# Altium PCB SNI_PROTO_pcb.PcbDoc
Units mm, origin at the board's own origin, x right, y up, seen from the top; angles counter-clockwise.
Board outline 114 x 81 mm, 2 copper layers (Top Layer, Bottom Layer); 92 components, 85 nets, 679 pads, 0 vias.
Unrouted connection lines stored in the file: 277.
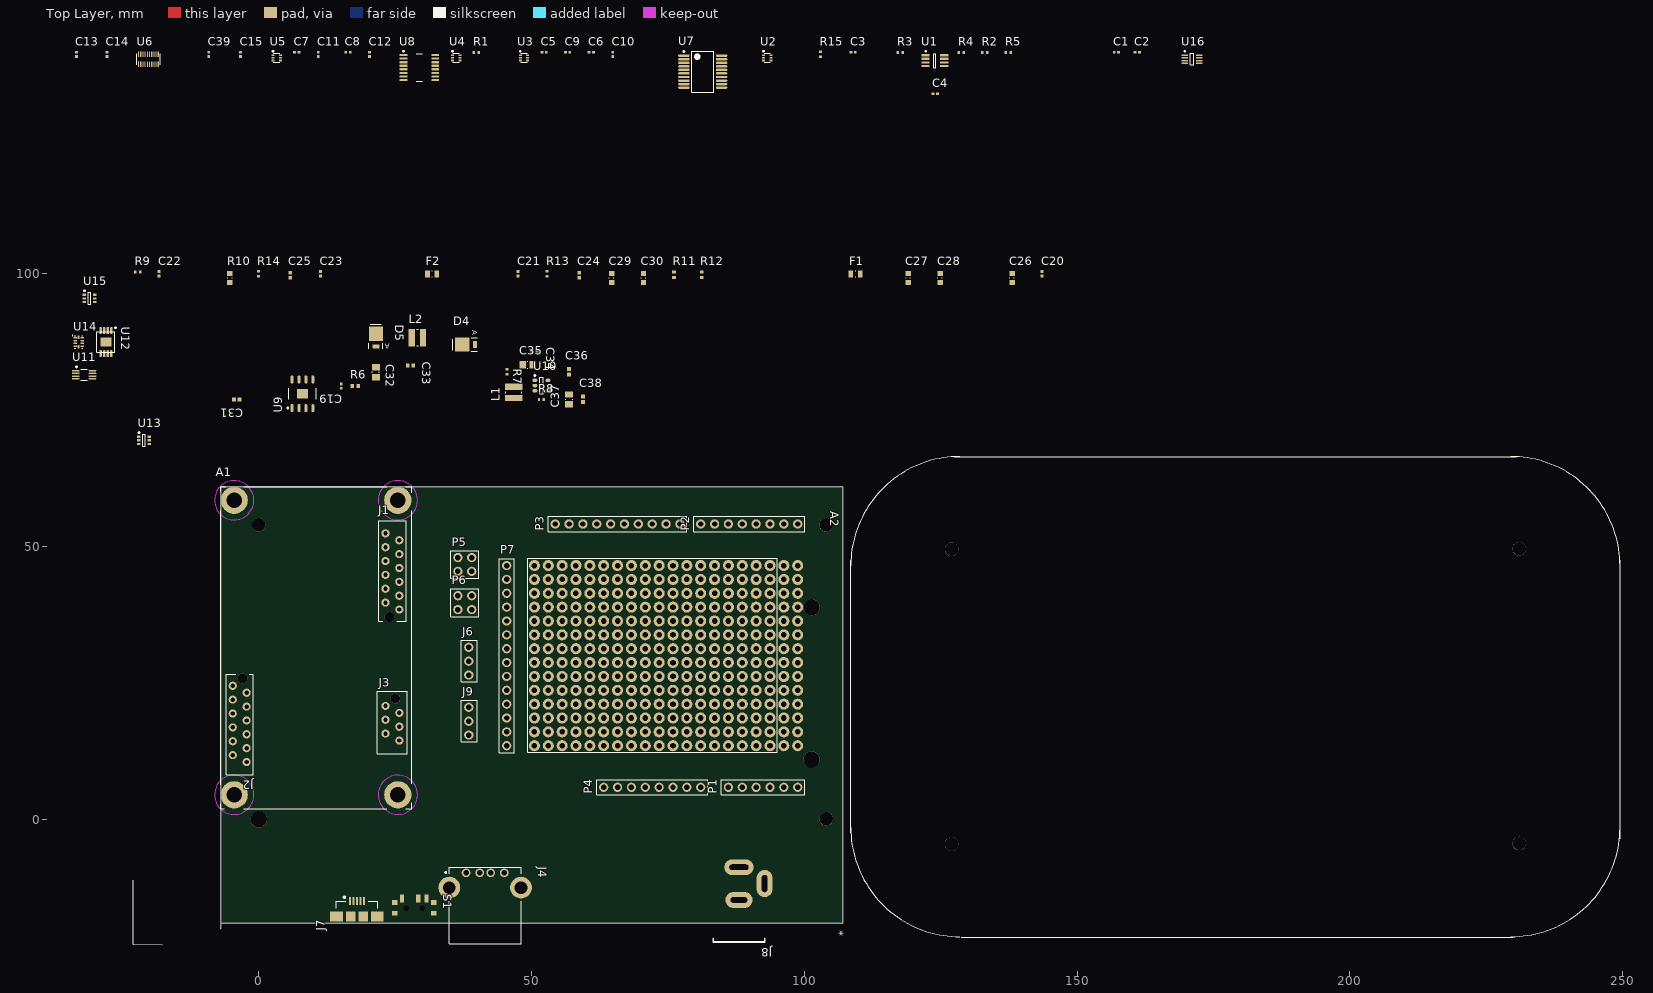
[diagram p0: Top Layer view]
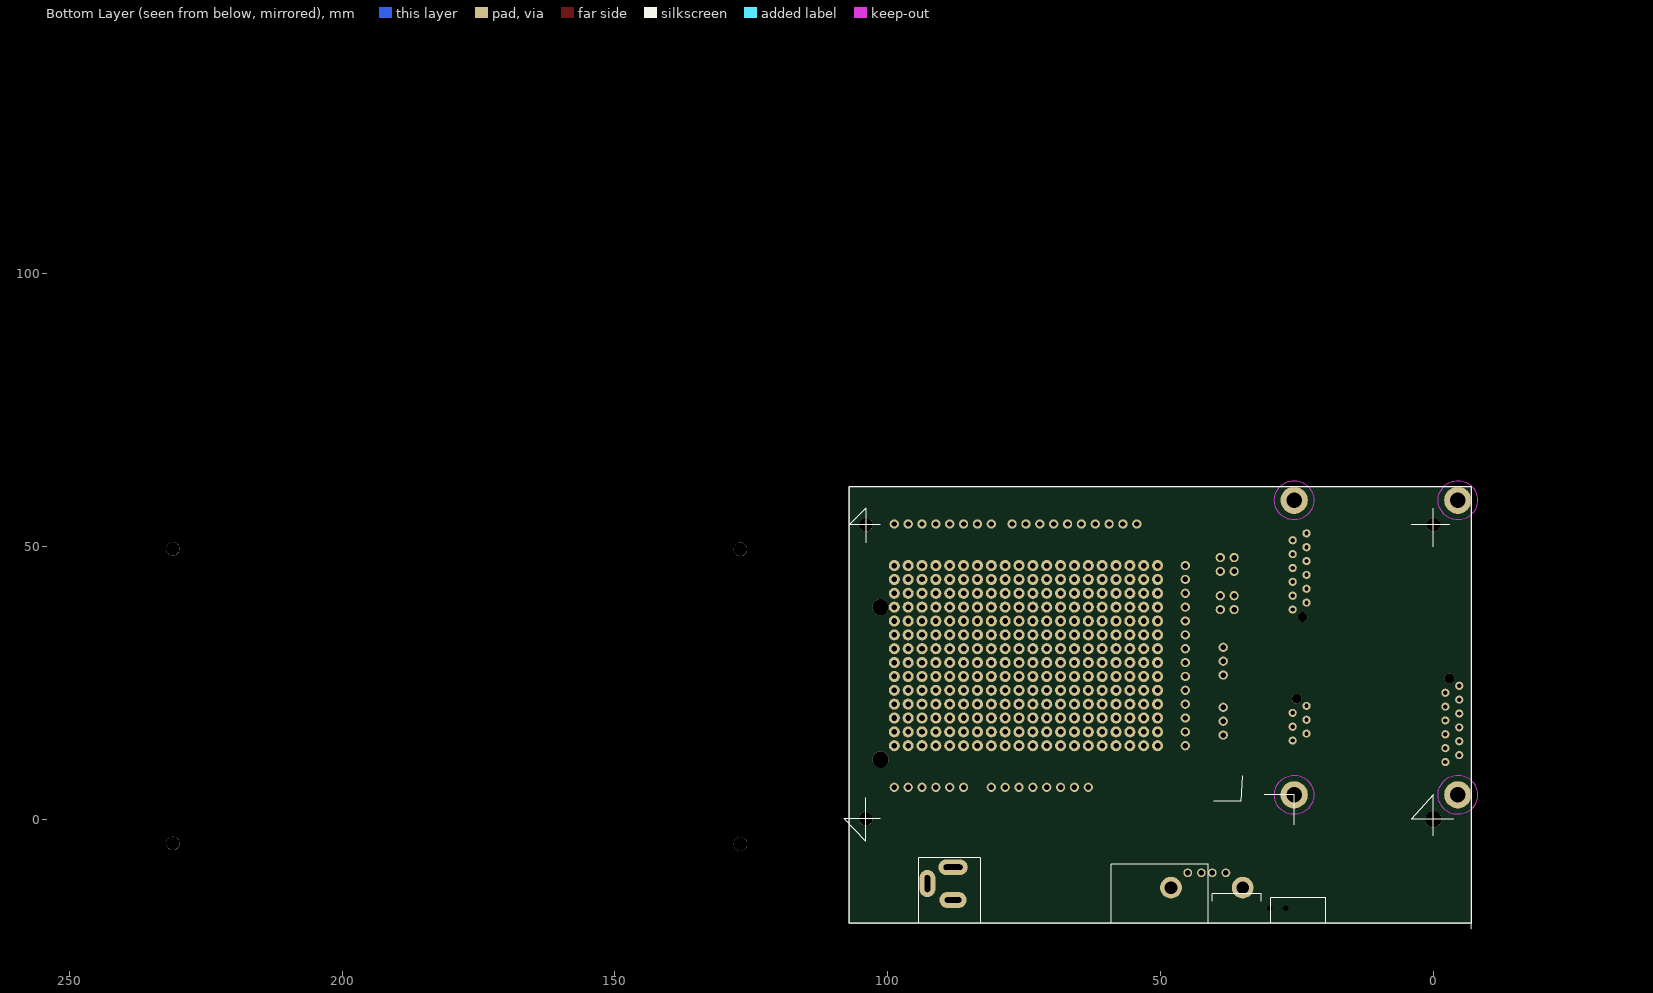
[diagram p1: Bottom Layer view, seen from below]

## Layer stack, top to bottom
Top Solder: solder mask 0.0102, Solder Resist, Dk 3.5
Top Layer: signal copper 0.0356
Dielectric 1: dielectric 0.32, FR-4, Dk 4.8
Bottom Layer: signal copper 0.0356
Bottom Solder: solder mask 0.0102, Solder Resist, Dk 3.5

## Board outline
-7,61 -7,-20 -7,-19 106.999,-19 106.999,61

## Design rules (kind name [scope] priority, off if disabled: settings)
Clearance [All] p1: gap=0.152
ComponentClearance [InComponent('A1')] p1: gap=0 collisioncheckmode=3 verticalgap=0 showdistances=FALSE
DiffPairsRouting [All] p1: maxlimit=0.254 minlimit=0.254 mostfreqgap=0.254 toplayer_minwidth=0.381 toplayer_maxwidth=0.381 toplayer_prefwidth=0.381 bottomlayer_minwidth=0.381 bottomlayer_maxwidth=0.381 bottomlayer_prefwidth=0.381 maxuncoupledlength=12.7
HoleSize [All] p1: absolutevalues=TRUE maxlimit=2.54 minlimit=0.4 maxpercent=80.000 minpercent=20.000
MinimumSolderMaskSliver [All] p1: minsoldermaskwidth=0.051
PolygonConnect [All] p1: connectstyle=Relief reliefconductorwidth=0.254 reliefentries=4 polygonreliefangle="90 Angle" airgapwidth=0.254
RoutingVias [All] p1: holewidth=0.711 width=1.27 viastyle="Through Hole" minholewidth=0.711 minwidth=1.27 maxholewidth=0.711 maxwidth=1.27
SolderMaskExpansion [All] p1: expansion=0.102
Width [All] p1: maxlimit=1.27 minlimit=0.203 preferedwidth=0.203
25 further rules are at their usual default settings.

## Classes and differential pairs
component class USB: C20 C21 C22 C23 C24 C25 C26 C27 C28 C29 C30 F1 F2 J3 J4 J7 R9 R10 R11 R12 R13 R14 S1 U11 U12 U13 U14 U15
component class SNI_PROTO_sch: C1 C2 C3 C4 C5 C6 C7 C8 C9 C10 C11 C12 C13 C14 C15 C39 J1 J2 J6 P1 P2 P3 P4 P5 P6 P7 R1 R2 R3 R4 R5 R15 U1 U2 U3 U4 U5 U6 U7 U8 U16
component class power: A1 A2 C19 C31 C32 C33 C34 C35 C36 C37 C38 D4 D5 J8 J9 L1 L2 R6 R7 R8 U9 U10
differential pair D_USB1: +USB1_P -USB1_N
differential pair D_USB2: +USB2_P -USB2_N
differential pair D_USB: +USB_P -USB_N
differential pair USB: +USB_P -USB_N
differential pair USB2: +USB2_P -USB2_N
differential pair USB1: +USB1_P -USB1_N

## Components (designator, comment, footprint, x,y, rotation, side; value= is the part's Value field where it differs from the comment)
* "Component_1" enclosure_takachi 178.999,22.5 r180 top
A1 "SNP-STM1" SNP-STM1 10.5,31.5 r90 top
A2 "AUno" PCBComponent_1 74.654,30.015 r0 top
C1 "CAP 100nF 10V 0402(1005)" CAPC0402(1005)60_L 157.201,140.604 r0 top
C2 "CAP 100nF 10V 0402(1005)" CAPC0402(1005)60_L 161.011,140.604 r0 top
C3 "CAP 100nF 10V 0402(1005)" CAPC0402(1005)60_L 108.941,140.604 r0 top
C4 "CAP 100nF 10V 0402(1005)" CAPC0402(1005)60_L 124.004,133.015 r0 top
C5 "CAP 100nF 10V 0402(1005)" CAPC0402(1005)60_L 52.299,140.604 r0 top
C6 "CAP 100nF 10V 0402(1005)" CAPC0402(1005)60_L 60.935,140.604 r0 top
C7 "CAP 100nF 10V 0402(1005)" CAPC0402(1005)60_L 6.96,140.604 r0 top
C8 "CAP 100nF 10V 0402(1005)" CAPC0402(1005)60_L 16.358,140.604 r0 top
C9 "CAP 100nF 10V 0402(1005)" CAPC0402(1005)60_L 56.617,140.604 r0 top
C10 "CAP 100nF 10V 0402(1005)" CAPC0402(1005)60_L 64.872,140.223 r90 top
C11 "CAP 100nF 10V 0402(1005)" CAPC0402(1005)60_L 10.897,140.223 r90 top
C12 "CAP 100nF 10V 0402(1005)" CAPC0402(1005)60_L 20.295,140.223 r90 top
C13 "CAP 100nF 10V 0402(1005)" CAPC0402(1005)60_L -33.426,140.223 r90 top
C14 "CAP 100nF 10V 0402(1005)" CAPC0402(1005)60_L -27.838,140.223 r90 top
C15 "CAP 100nF 10V 0402(1005)" CAPC0402(1005)60_L -3.327,140.223 r90 top
C19 "CAP 100nF 10V 0402(1005)" CAPC0402(1005)60_L 15.114,79.415 r270 top
C20 "CAP 100nF 10V 0402(1005)" CAPC0402(1005)60_L 143.548,99.994 r90 top
C21 "CAP 100nF 10V 0402(1005)" CAPC0402(1005)60_L 47.536,99.994 r90 top
C22 "CAP 100nF 10V 0402(1005)" CAPC0402(1005)60_L -18.25,99.994 r90 top
C23 "CAP 100nF 10V 0402(1005)" CAPC0402(1005)60_L 11.341,99.994 r90 top
C24 "CAP 10nF 50V 0402(1005)" CAPC0402(1005)60_N 58.712,99.74 r90 top
C25 "CAP 10nF 50V 0402(1005)" CAPC0402(1005)60_N 5.753,99.74 r90 top
C26 "CAP 2.2uF 16V 0603(1608)" CAPC0603(1608)100_N 138.087,99.232 r90 top
C27 "CAP 2.2uF 16V 0603(1608)" CAPC0603(1608)100_N 119.037,99.232 r90 top
C28 "CAP 2.2uF 16V 0603(1608)" CAPC0603(1608)100_N 124.879,99.232 r90 top
C29 "CAP 2.2uF 16V 0603(1608)" CAPC0603(1608)100_N 64.681,99.232 r90 top
C30 "CAP 2.2uF 16V 0603(1608)" CAPC0603(1608)100_N 70.523,99.232 r90 top
C31 "CAP 100nF 50V 0402(1005)" CAPC0402(1005)60_M -4.001,77 r180 top
C32 "10uF" CAPC0805(2012)145_N 21.464,81.955 r270 top
C33 "CAP 100nF 50V 0402(1005)" CAPC0402(1005)60_M 27.814,83.225 r0 top
C34 "CAP 100nF 50V 0402(1005)" CAPC0402(1005)60_M 50.544,85.875 r0 top
C35 "10uF" CAPC0805(2012)145_N 49.274,83.335 r0 top
C36 "CAP 18pF 50V 0402(1005)" CAPC0402(1005)60_M 56.894,82.065 r90 top
C37 "10uF" CAPC0805(2012)145_N 56.894,76.985 r90 top
C38 "CAP 100nF 50V 0402(1005)" CAPC0402(1005)60_M 59.434,76.985 r90 top
C39 "CAP 1uF 10V 0402(1005)" CAPC0402(1005)60_L -9.169,140.223 r90 top
D4 "MBRM110ET1G" "CASE 457–04" 37.974,87.035 r0 top
D5 "SSB43L" "CASE 457–04" 21.464,88.305 r270 top
F1 "MF-PSMF050X-2" RESC0805(2012)_L 109.385,99.994 r0 top
F2 "MF-PSMF050X-2" RESC0805(2012)_L 31.788,99.994 r0 top
J1 "TMM-3-0-12-1" TMM-3-0-12-1 24.495,45.46 r90 top
J2 "TMM-3-0-12-1" TMM-3-0-12-1 -3.496,17.494 r270 top
J3 "TMM-3-0-06-1" Micro-Match_6pin 24.5,17.5 r90 top
J4 "MC32593" MC32593 41.5,-12.5 r0 top
J6 "PRPC003SAAN-RC" PRPC003SAAN-RC 38.499,29 r90 top
J7 "10104111-0001LF" 10104111-0001LF 18,-17.81 r90 top
J8 "PJ-002BH" PJ-002BH 88.014,-8.763 r270 top
J9 "PRPC003SAAN-RC" PRPC003SAAN-RC 38.499,18 r90 top
L1 "EPL3015-222" EPL3015-222_L 46.734,78.255 r90 top
L2 "4.7uH" EPL3015-222_L 29.084,88.305 r0 top
P1 "ANALOG" H6A 98.784,5.885 r180 top
P2 "DIGITAL" H8A 98.784,54.145 r180 top
P3 "DIGITAL2" H10A 77.194,54.145 r180 top
P4 "POWER" H8A 81.004,5.885 r180 top
P5 "Header 2x2" H2x2 36.499,48 r0 top
P6 "Header 2x2" H2x2 36.499,41 r0 top
P7 "Header14" H14 45.444,13.505 r90 top
R1 "10K 1% 0402(1005)" RESC0402(1005)_L 39.853,140.604 r0 top
R2 "2K2 1% 0402(1005)" RESC0402(1005)_L 133.071,140.604 r0 top
R3 "2K2 1% 0402(1005)" RESC0402(1005)_L 117.577,140.604 r0 top
R4 "2K2 1% 0402(1005)" RESC0402(1005)_L 128.753,140.604 r0 top
R5 "2K2 1% 0402(1005)" RESC0402(1005)_L 137.389,140.604 r0 top
R6 "100K 1% 0402(1005)" RESC0402(1005)_M 17.654,79.415 r0 top
R7 "1M8 1% 0402(1005)" RESC0402(1005)_L 45.464,82.065 r270 top
R8 "402K 1% 0402(1005)" RESC0402(1005)_L 51.814,76.985 r0 top
R9 "10K 1% 0402(1005)" RESC0402(1005)_L -22.187,100.375 r0 top
R10 "5K6 1% 0603(1608)" RESC0603(1608)_N -5.296,99.232 r90 top
R11 "10K 1% 0402(1005)" RESC0402(1005)_N 76.111,99.867 r90 top
R12 "10K 1% 0402(1005)" RESC0402(1005)_N 81.191,99.867 r90 top
R13 "1M  1% 0402(1005)" RESC0402(1005)_L 52.87,99.994 r90 top
R14 "1M  1% 0402(1005)" RESC0402(1005)_L -0.089,99.994 r90 top
R15 "100K 1% 0402(1005)" RESC0402(1005)_L 102.972,140.223 r90 top
S1 "PCM12SMTR" "PCM12SMTR switch footprint" 28.5,-14.5 r0 top
U1 "TCA9406" LSSOP-8 123.927,139.08 r0 top
U2 "SN74LVC1T45" SOT6_DRL 93.193,139.588 r0 top
U3 "SN74LVC1T45" SOT6_DRL 48.616,139.588 r0 top
U4 "SN74LVC1T45" SOT6_DRL 36.17,139.588 r0 top
U5 "SN74LVC1T45" SOT6_DRL 3.277,139.588 r0 top
U6 "TXB0108" UFDFN-20 -20.218,139.334 r0 top
U7 "MCP23S08-E/SS" SSOP-SS20_N 81.382,137.048 r0 top
U8 "ADC128S022" TSSOP16 29.439,137.81 r0 top
U9 "ADP2302" SOP127P600-8N#1 8.004,78.015 r90 top
U10 "NCP1529ASNT1G" SOT-23-5_L 51.814,79.525 r0 top
U11 "74LVC2G53" VSSOP8_SOT765-1 -32.001,81.5 r0 top
U12 "AP2152A" SOP127P600-8N#2 -28.001,87.5 r270 top
U13 "PRTR5V0U4Y,125" SOT363_L -21.006,69.485 r0 top
U14 "TS3USB221" RSE10 -33.001,87.5 r0 top
U15 "PRTR5V0U4Y,125" SOT363_L -31.001,95.5 r0 top
U16 "TXB0102" VSSOP8 171.044,139.334 r0 top

## Footprints (in the part's own frame and the unit in brackets; to place one, negate y for a bottom-side part, rotate by r counter-clockwise, add the part's x,y. Pads: shape width x height; smd on the part's side, far side on the other; paste and mask are expansions set on the pad)
10104111-0001LF [mm]
  rect 1.4x0.4 smd: 1(2.85,1.3) 2(2.85,0.65) 3(2.85,0) 4(2.85,-0.65) 5(2.85,-1.3)
  rect 1.778x2.3 smd: 6(0,-3.75) 7(0,3.75)
  rect 1.778x1.8 smd: 8(0,1.15) 9(0,-1.15)
  silkscreen extent 1.52,-3.81 3.68,3.81, body extent -2.78,-4.4 2.85,4.4, height 2.76
CAPC0402(1005)60_L [mm] "Chip Capacitor, Body 1.0x0.5mm, Height 0.6mm, IPC High Density"
  rect 0.52x0.52 smd: 1(-0.4,0) 2(0.4,0)
  body extent -0.55,-0.3 0.55,0.3, height 0.6
CAPC0402(1005)60_M [mm] "Chip Capacitor, Body 1.0x0.5mm, Height 0.6mm, IPC Low Density"
  rect 0.72x0.72 smd: 1(-0.5,0) 2(0.5,0)
  body extent -0.55,-0.3 0.55,0.3, height 0.6
CAPC0402(1005)60_N [mm] "Chip Capacitor, Body 1.0x0.5mm, Height 0.6mm, IPC Medium Density"
  rect 0.62x0.62 smd: 1(-0.45,0) 2(0.45,0)
  body extent -0.55,-0.3 0.55,0.3, height 0.6
CAPC0603(1608)100_N [mm] "Chip Capacitor, Body 1.6x0.8mm, Height 1.0mm, IPC Medium Density"
  rect 0.9x1 smd: 1(-0.8,0) 2(0.8,0)
  silkscreen extent -0.05,-0.4 0.05,0.4, body extent -0.87,-0.48 0.88,0.47, height 1
CAPC0805(2012)145_N [mm] "Chip Capacitor, Body 2.0x1.2mm, Height 1.45mm, IPC Medium Density"
  rect 1.15x1.45 smd: 1(-0.9,0) 2(0.9,0)
  silkscreen extent -0.05,-0.62 0.05,0.63, body extent -1.1,-0.72 1.1,0.73, height 1.45
"CASE 457–04" [mm] "Powermite, Plastic Package, 2.05 x 3.90 mm"
  rect 2.67x2.54 smd: 1(-0.7,0)
  rect 0.762x1.27 smd: 2(1.651,0)
  silkscreen extent -2.41,-1.27 2.03,1.27, body extent -1.99,-1.02 1.91,1.03, height 1.15
enclosure_takachi [mm]
  round 2.5 hole 2.5 unplated paste+0 mask+0: 0(-52,26.9) 0(-52,-27.1) 0(52,27) 0(52,-27)
  silkscreen extent -70.5,-44 70.5,44.1
EPL3015-222_L [mm] "Inductor, Shielded, SMT, EPL3015 Series, 3 x 3 x 1.55 mm"
  rect 1.12x3.2 smd: 1(-1.04,0) 2(1.04,0)
  silkscreen extent -0.13,-1.5 0.13,1.5, body extent -1.6,-1.6 1.6,1.6, height 1.55
H2x2 [mm]
  round 1.7 hole 1: 1(0,0) 2(2.54,0) 3(0,-2.54) 4(2.54,-2.54)
  silkscreen extent -1.27,-3.81 3.81,1.27, body extent -1.27,-3.81 3.81,1.27, height 9.27
H6A [mm]
  round 1.7 hole 1: 1(0,0) 2(2.54,0) 3(5.08,0) 4(7.62,0) 5(10.16,0) 6(12.7,0)
  silkscreen extent -1.27,-1.4 13.97,1.4, body extent -1.27,-1.27 13.97,1.27, height 8.5
H8A [mm]
  round 1.7 hole 1: 1(0,0) 2(2.54,0) 3(5.08,0) 4(7.62,0) 5(10.16,0) 6(12.7,0) 7(15.24,0) 8(17.78,0)
  silkscreen extent -1.27,-1.4 19.05,1.4, body extent -1.27,-1.27 19.05,1.27, height 8.5
H10A [mm]
  round 1.7 hole 1: 1(0,0) 2(2.54,0) 3(5.08,0) 4(7.62,0) 5(10.16,0) 6(12.7,0) 7(15.24,0) 8(17.78,0) 9(20.32,0) 10(22.86,0)
  silkscreen extent -1.27,-1.42 24.13,1.4, body extent -1.27,-1.27 24.13,1.27, height 8.5
H14 [mm]
  round 1.7 hole 1: 1(0,0) 2(2.54,0) 3(5.08,0) 4(7.62,0) 5(10.16,0) 6(12.7,0) 7(15.24,0) 8(17.78,0) 9(20.32,0) 10(22.86,0) 11(25.4,0) 12(27.94,0) 13(30.48,0) 14(33.02,0)
  silkscreen extent -1.27,-1.4 34.29,1.4, body extent -1.4,-1.25 34.41,1.25, height 8.5
LSSOP-8 [mm]
  rect 1.5x0.4 smd mask+0.07: 1(-1.7,0.975) 2(-1.7,0.325) 3(-1.7,-0.325) 4(-1.7,-0.975) 5(1.7,-0.975) 6(1.7,-0.325) 7(1.7,0.325) 8(1.7,0.975)
  silkscreen extent -1.8,-1.3 0.18,1.8, body extent -2.1,-1.52 2.1,1.53, height 1.3
MC32593 [mm] "USB, Type A, Right Angle, THT"
  round 1.6 hole 1: 1(-3.5,2.7) 2(-1,2.7) 3(1,2.7) 4(3.5,2.7)
  round 4 hole 2.3: 5(6.57,0) 6(-6.57,0)
  silkscreen extent -7.37,-10.26 6.6,3.74, body extent -8.12,-10.26 8.12,3.74, height 7.67
Micro-Match_6pin [mm] "Micro-Match male 6 pin  Through Hole Vertical, Pitch 1.27mm"
  round 1.8 hole 1.8 paste+0 mask+0: 0(4.648,-0.533)
  round 1.5 hole 0.8: 1(3.302,1.27) 2(2.032,-1.27) 3(0.762,1.27) 4(-0.508,-1.27) 5(-1.778,1.27) 6(-3.048,-1.27)
  silkscreen extent -5.5,-2.75 6,2.75, body extent -5.21,-2.5 5.59,2.5, height 6.8
PCBComponent_1 [mil]
  round 80 hole 40: 0(-950,650) 1(-850,650) 2(-750,650) 3(-650,650) 4(-550,650) 5(-450,650) 6(-350,650) 7(-250,650) 8(-150,650) 9(-50,650) 10(50,650) 11(150,650) 12(250,650) 13(350,650) 14(450,650) 15(550,650) 16(650,650) 17(750,650) 18(850,650) 19(950,650) 20(-950,550) 21(-850,550) 22(-750,550) 23(-650,550) 24(-550,550) 25(-450,550) 26(-350,550) 27(-250,550) 28(-150,550) 29(-50,550) 30(50,550) 31(150,550) 32(250,550) 33(350,550) 34(450,550) 35(550,550) 36(650,550) 37(750,550) 38(850,550) 39(950,550) 40(-950,450) 41(-850,450) 42(-750,450) 43(-650,450) 44(-550,450) 45(-450,450) 46(-350,450) 47(-250,450) 48(-150,450) 49(-50,450) 50(50,450) 51(150,450) 52(250,450) 53(350,450) 54(450,450) 55(550,450) 56(650,450) 57(750,450) 58(850,450) 59(950,450) 60(-950,350) 61(-850,350) 62(-750,350) 63(-650,350) 64(-550,350) 65(-450,350) 66(-350,350) 67(-250,350) 68(-150,350) 69(-50,350) 70(50,350) 71(150,350) 72(250,350) 73(350,350) 74(450,350) 75(550,350) 76(650,350) 77(750,350) 78(850,350) 79(950,350) 80(-950,250) 81(-850,250) 82(-750,250) 83(-650,250) 84(-550,250) 85(-450,250) 86(-350,250) 87(-250,250) 88(-150,250) 89(-50,250) 90(50,250) 91(150,250) 92(250,250) 93(350,250) 94(450,250) 95(550,250) 96(650,250) 97(750,250) 98(850,250) 99(950,250) 100(-950,150) 101(-850,150) 102(-750,150) 103(-650,150) 104(-550,150) 105(-450,150) 106(-350,150) 107(-250,150) 108(-150,150) 109(-50,150) 110(50,150) 111(150,150) 112(250,150) 113(350,150) 114(450,150) 115(550,150) 116(650,150) 117(750,150) 118(850,150) 119(950,150) 120(-950,50) 121(-850,50) 122(-750,50) 123(-650,50) 124(-550,50) 125(-450,50) 126(-350,50) 127(-250,50) 128(-150,50) 129(-50,50) 130(50,50) 131(150,50) 132(250,50) 133(350,50) 134(450,50) 135(550,50) 136(650,50) 137(750,50) 138(850,50) 139(950,50) 140(-950,-50) 141(-850,-50) 142(-750,-50) 143(-650,-50) 144(-550,-50) 145(-450,-50) 146(-350,-50) 147(-250,-50) 148(-150,-50) 149(-50,-50) 150(50,-50) 151(150,-50) 152(250,-50) 153(350,-50) 154(450,-50) 155(550,-50) 156(650,-50) 157(750,-50) 158(850,-50) 159(950,-50) 160(-950,-150) 161(-850,-150) 162(-750,-150) 163(-650,-150) 164(-550,-150) 165(-450,-150) 166(-350,-150) 167(-250,-150) 168(-150,-150) 169(-50,-150) 170(50,-150) 171(150,-150) 172(250,-150) 173(350,-150) 174(450,-150) 175(550,-150) 176(650,-150) 177(750,-150) 178(850,-150) 179(950,-150) 180(-950,-250) 181(-850,-250) 182(-750,-250) 183(-650,-250) 184(-550,-250) 185(-450,-250) 186(-350,-250) 187(-250,-250) 188(-150,-250) 189(-50,-250) 190(50,-250) 191(150,-250) 192(250,-250) 193(350,-250) 194(450,-250) 195(550,-250) 196(650,-250) 197(750,-250) 198(850,-250) 199(950,-250) 200(-950,-350) 201(-850,-350) 202(-750,-350) 203(-650,-350) 204(-550,-350) 205(-450,-350) 206(-350,-350) 207(-250,-350) 208(-150,-350) 209(-50,-350) 210(50,-350) 211(150,-350) 212(250,-350) 213(350,-350) 214(450,-350) 215(550,-350) 216(650,-350) 217(750,-350) 218(850,-350) 219(950,-350) 220(-950,-450) 221(-850,-450) 222(-750,-450) 223(-650,-450) 224(-550,-450) 225(-450,-450) 226(-350,-450) 227(-250,-450) 228(-150,-450) 229(-50,-450) 230(50,-450) 231(150,-450) 232(250,-450) 233(350,-450) 234(450,-450) 235(550,-450) 236(650,-450) 237(750,-450) 238(850,-450) 239(950,-450) 240(-950,-550) 241(-850,-550) 242(-750,-550) 243(-650,-550) 244(-550,-550) 245(-450,-550) 246(-350,-550) 247(-250,-550) 248(-150,-550) 249(-50,-550) 250(50,-550) 251(150,-550) 252(250,-550) 253(350,-550) 254(450,-550) 255(550,-550) 256(650,-550) 257(750,-550) 258(850,-550) 259(950,-550) 260(-950,-650) 261(-850,-650) 262(-750,-650) 263(-650,-650) 264(-550,-650) 265(-450,-650) 266(-350,-650) 267(-250,-650) 268(-150,-650) 269(-50,-650) 270(50,-650) 271(150,-650) 272(250,-650) 273(350,-650) 274(450,-650) 275(550,-650) 276(650,-650) 277(750,-650) 278(850,-650) 279(950,-650)
  silkscreen extent -999,-697 801,703
"PCM12SMTR switch footprint" [mm] "PCM12SMTR switch footprint"
  rect 1x0.9 smd: 0(-3.6,-2.7) 0(-3.6,-0.7) 0(3.6,-2.7) 0(3.6,-0.7)
  round 0.5 on Top Overlay: 0(-3.24,0.503)
  rect 0.5x0.5 hole 1: 0(-1.5,-1.75) 0(1.5,-1.75)
  rect 0.8x1.5 smd: 1(-2.25,0) 2(0.75,0) 3(2.25,0)
  body extent -3.37,-4.5 3.38,-0.5, height 1.4
PJ-002BH [mm]
  oval 2.9x5.4 hole 1 slot 3.5 at 90 deg: 1(0,0)
  oval 2.9x5 hole 1 slot 3 at 90 deg: 2(6,0)
  oval 5x2.9 hole 1 slot 3.1 at 0 deg: 3(3,4.7)
  silkscreen extent 13,-4.7 13.7,4.7, body extent -0.7,-4.6 13.7,4.8, height 11
PRPC003SAAN-RC [mm] "Pin header 3 pin 2.54 mm pitch"
  round 1.7 hole 1: 1(-2.54,0) 2(0,0) 3(2.54,0)
  silkscreen extent -3.81,-1.52 3.81,1.4, body extent -3.81,-1.52 3.81,1.4, height 8.51
RESC0402(1005)_L [mm] "Chip Resistor, Body 1.0x0.5mm, IPC High Density"
  rect 0.45x0.55 smd: 1(-0.45,0) 2(0.45,0)
  body extent -0.52,-0.27 0.53,0.28, height 0.4
RESC0402(1005)_M [mm] "Chip Resistor, Body 1.0x0.5mm, IPC Low Density"
  rect 0.65x0.75 smd: 1(-0.55,0) 2(0.55,0)
  body extent -0.52,-0.28 0.53,0.28, height 0.4
RESC0402(1005)_N [mm] "Chip Resistor, Body 1.0x0.5mm, IPC Medium Density"
  rect 0.55x0.65 smd: 1(-0.5,0) 2(0.5,0)
  body extent -0.52,-0.27 0.53,0.28, height 0.4
RESC0603(1608)_N [mm] "Chip Resistor, Body 1.6x0.8mm, IPC Medium Density"
  rect 0.9x1 smd: 1(-0.8,0) 2(0.8,0)
  silkscreen extent -0.05,-0.4 0.05,0.4, body extent -0.85,-0.47 0.85,0.47, height 0.6
RESC0805(2012)_L [mm] "Chip Resistor, Body 2.0x1.3mm, IPC High Density"
  rect 0.85x1.3 smd: 1(-0.85,0) 2(0.85,0)
  silkscreen extent -0.05,-0.55 0.05,0.55, body extent -1.1,-0.67 1.1,0.68, height 0.7
RSE10 [mm] "QFN, 10-Leads, Body 1.5x2mm, Pitch 0.5mm, TI Recommended"
  rect 0.58x0.3 smd paste-0.025 mask+0.05: 1(-0.64,0.75) 2(-0.64,0.25) 3(-0.64,-0.25) 4(-0.64,-0.75) 6(0.64,-0.75) 7(0.64,-0.25) 8(0.64,0.25) 9(0.64,0.75)
  rect 0.35x0.63 smd paste-0.025 mask+0.05: 5(0,-0.86) 10(0,0.86)
  silkscreen extent -1.22,-1.17 0.77,1.22, body extent -0.77,-1.02 0.78,1.03, height 0.6
SNP-STM1 [mm]
  round 5 hole 2.8: 0(-27,-15) 0(-27,15) 0(27,-15) 0(27,15)
  Top Layer keep-out circle w0.102: c-27,-15 r3.6
  Top Layer keep-out circle w0.102: c-27,15 r3.6
  Top Layer keep-out circle w0.102: c27,15 r3.6
  Top Layer keep-out circle w0.102: c27,-15 r3.6
  Bottom Layer keep-out circle w0.102: c-27,-15 r3.6
  Bottom Layer keep-out circle w0.102: c-27,15 r3.6
  Bottom Layer keep-out circle w0.102: c27,15 r3.6
  Bottom Layer keep-out circle w0.102: c27,-15 r3.6
  silkscreen extent -29.5,-17.5 29.5,17.5
SOP127P600-8N#1 [mm]
  oval 1.5x0.55 smd: 1(-2.625,1.905) 2(-2.625,0.635) 3(-2.625,-0.635) 4(-2.625,-1.905) 5(2.625,-1.905) 6(2.625,-0.635) 7(2.625,0.635) 8(2.625,1.905)
  rect 1.7x2 smd: 9(0,0)
  silkscreen extent -2.75,-2.5 1.02,2.8, body extent -3,-2.45 3,2.45, height 1.7
SOP127P600-8N#2 [mm]
  oval 1.35x0.45 smd: 1(-2.117,0.975) 2(-2.117,0.325) 3(-2.117,-0.325) 4(-2.117,-0.975) 5(2.117,-0.975) 6(2.117,-0.325) 7(2.117,0.325) 8(2.117,0.975)
  rect 1.7x2 smd: 9(0,0)
  silkscreen extent -2.75,-1.65 1.9,1.88, body extent -2.45,-1.5 2.45,1.5, height 1.15
SOT6_DRL [mm]
  rect 0.55x0.3 smd mask+0.05: 1(-0.675,0.5) 2(-0.675,0) 3(-0.675,-0.5) 4(0.675,-0.5) 5(0.675,0) 6(0.675,0.5)
  silkscreen extent -0.8,-0.85 0.58,1.32, body extent -0.8,-0.8 0.8,0.8, height 0.6
SOT363_L [mm] "SOT363, 6-Leads, Body 2x1.3mm, Pitch 0.65mm, Lead Span 2.1mm, IPC High Density"
  rect 0.65x0.4 smd: 1(-0.95,0.65) 2(-0.95,0) 3(-0.95,-0.65) 4(0.95,-0.65) 5(0.95,0) 6(0.95,0.65)
  silkscreen extent -1.07,-1.1 0.25,1.52, body extent -0.7,-1.1 0.7,1.1, height 1.1
SOT-23-5_L [mm] "SOT23, 5-Leads, Body 2.9x1.6mm, Pitch 0.95mm, Lead Span 2.7mm, IPC High Density"
  oval 0.9x0.65 smd: 1(-1.2,0.95) 2(-1.2,0) 3(-1.2,-0.95) 4(1.2,-0.95) 5(1.2,0.95)
  silkscreen extent -1.32,-1.55 0.35,1.95, body extent -0.9,-1.55 0.9,1.55, height 1.45
SSOP-SS20_N [mm] "SOP, 20-Leads, Body 7.2x5.2mm, Pitch 0.65mm, IPC Medium Density"
  oval 2.1x0.45 smd: 1(-3.45,2.925) 2(-3.45,2.275) 3(-3.45,1.625) 4(-3.45,0.975) 5(-3.45,0.325) 6(-3.45,-0.325) 7(-3.45,-0.975) 8(-3.45,-1.625) 9(-3.45,-2.275) 10(-3.45,-2.925) 11(3.45,-2.925) 12(3.45,-2.275) 13(3.45,-1.625) 14(3.45,-0.975) 15(3.45,-0.325) 16(3.45,0.325) 17(3.45,0.975) 18(3.45,1.625) 19(3.45,2.275) 20(3.45,2.925)
  silkscreen extent -3.57,-3.75 2,3.82, body extent -2.7,-3.75 2.7,3.75, height 2
TMM-3-0-12-1 [mm]
  round 1.5 hole 0.8: 1(-6.996,-1.27) 2(-5.726,1.27) 3(-4.456,-1.27) 4(-3.186,1.27) 5(-1.916,-1.27) 6(-0.646,1.27) 7(0.624,-1.27) 8(1.894,1.27) 9(3.164,-1.27) 10(4.434,1.27) 11(5.704,-1.27) 12(6.974,1.27)
  round 1.8 hole 1.8 unplated paste+0 mask+0: ""(-8.345,0.535)
  silkscreen extent -9.14,-2.5 9.27,2.5, body extent -9.21,-2.5 9.21,2.5, height 6.93
TSSOP16 [mm]
  rect 1.4x0.4 smd mask+0.05: 1(-2.9,2.275) 2(-2.9,1.625) 3(-2.9,0.975) 4(-2.9,0.325) 5(-2.9,-0.325) 6(-2.9,-0.975) 7(-2.9,-1.625) 8(-2.9,-2.275) 9(2.9,-2.275) 10(2.9,-1.625) 11(2.9,-0.975) 12(2.9,-0.325) 13(2.9,0.325) 14(2.9,0.975) 15(2.9,1.625) 16(2.9,2.275)
  silkscreen extent -3.02,-2.55 0.58,3.1, body extent -3.2,-2.5 3.2,2.5, height 1.1
UFDFN-20 [mm] "R-PUSON 20 PIN"
  rect 0.2x1.1 smd: 1(-1.8,-0.85)
  rect 0.2x1 smd: 2(-1.4,-0.9) 3(-1,-0.9) 4(-0.6,-0.9) 5(-0.2,-0.9) 6(0.2,-0.9) 7(0.6,-0.9) 8(1,-0.9) 9(1.4,-0.9) 10(1.8,-0.9) 11(1.8,0.9) 12(1.4,0.9) 13(1,0.9) 14(0.6,0.9) 15(0.2,0.9) 16(-0.2,0.9) 17(-0.6,0.9) 18(-1,0.9) 19(-1.4,0.9) 20(-1.8,0.9)
  silkscreen extent -2.15,-1.02 2.15,1.02, body extent -2,-1 2,1, height 0.55
VSSOP8 [mm] "TSSOP, 8-Leads, Body 2,00x2,30mm, Pitch 0,50mm, IPC Medium Density"
  rect 1.25x0.3 smd mask+0.05: 1(-1.325,0.75) 2(-1.325,0.25) 3(-1.325,-0.25) 4(-1.325,-0.75) 5(1.325,-0.75) 6(1.325,-0.25) 7(1.325,0.25) 8(1.325,0.75)
  silkscreen extent -1.45,-1.05 0.3,1.57, body extent -1.6,-1.05 1.6,1.05, height 0.9
VSSOP8_SOT765-1 [mm]
  oval 1.4x0.3 smd mask+0.05: 1(-1.527,0.75) 2(-1.527,0.25) 3(-1.527,-0.25) 4(-1.527,-0.75) 5(1.527,-0.75) 6(1.527,-0.25) 7(1.527,0.25) 8(1.527,0.75)
  silkscreen extent -1.52,-1.05 0.6,1.57, body extent -1.62,-1.05 1.62,1.05, height 1

## Part data
A1: "SNP-STM1 Vesna Processor Module, Mechanical PCB Components without Connectors"
C1 C2 C3 C4 C5 C6 C7 C8 C9 C10 C11 C12 C13 C14 C15 C19 C20 C21 C22 C23: library part CMP-1034-02064-1, "CAP 100nF 10V ±5% 0402 (1005 Metric) Thickness 0.6mm SMD"
C24 C25: library part CMP-1034-01886-1, "CAP 10nF 50V ±10% 0402 (1005 Metric) Thickness 0.6mm SMD"
C26 C27 C28 C29 C30: library part CMP-1035-02765-1, "CAP 2.2uF 16V ±20% 0603 (1608 Metric) Thickness 1mm SMD"
C31 C33 C34 C38: library part CMP-1034-02077-1, "CAP 100nF 50V ±10% 0402 (1005 Metric) Thickness 0.6mm SMD"
C32 C35 C37: library part CMP-1036-04924-1, "CAP 10uF 10V ±20% 0805 (2012 Metric) Thickness 1.45mm SMD"
C36: library part CMP-1034-00862-1, "CAP 18pF 50V ±1% 0402 (1005 Metric) Thickness 0.6mm SMD"
C39: library part CMP-1034-02117-1, "CAP 1uF 10V ±20% 0402 (1005 Metric) Thickness 0.6mm SMD"
D4: "Diode, Schottky Power Rectifier, SMT, 1A, 10V"
D5: library part MBRM110ET1G, "Diode, Schottky Power Rectifier, SMT, 1A, 10V"
F1 F2: "PTC Resettable Fuse"
J1 J2: "PLUG, DIP, 1.27MM, 12WAY"
J3: "Micro-Match male 6 pin  Through Hole Vertical, Pitch 1.27mm"
J4: "USB, Type A, Right Angle, THT"
J6 J9: "Pin header male 3 pin  Through Hole Vertical, Pitch 2.54 mm"
J7: "Micro USB 2.0, Type AB, Bottom Mount, SMT, Right Angle"
L1: "Shielded Power Inductors, 2.2uH, Isat 1.6A @ 30%, Irms 2A @ 40°C, 3 x 3 x 1.5mm"
L2: library part EPL3015-472MLB, "Shielded Power Inductors, 4.7uH, Isat 1.6A @ 30%, Irms 1.4A @ 40°C, 3 x 3 x 1.5mm"
P1: library part header6A
P2 P4: library part Header8A
P3: library part Header10A
P5 P6: library part Header
R1 R9 R11 R12: library part "10K 0402(1005)_1", "10K 0.063W 1% 0402 (1005 Metric)  SMD"
R2 R3 R4 R5: library part "2K2 0402(1005)", "2K2 0.063W 1% 0402 (1005 Metric)  SMD"
R6 R15: library part "100K 0402(1005)", "100K 0.063W 1% 0402 (1005 Metric)  SMD"
R7: library part "1M8 0402(1005)", "1M8 0.063W 1% 0402 (1005 Metric)  SMD"
R8: library part "402K 0402(1005)", "402K 0.063W 1% 0402 (1005 Metric)  SMD"
R10: library part "5K6 0603(1608)", "5K6 0.1W 1% 0603 (1608 Metric)  SMD"
R13 R14: library part "1M 0402(1005)", "1M  0.063W 1% 0402 (1005 Metric)  SMD"
S1: "slide switch"
U6: "Translator, Bidirectional, 8 bits data rate 100Mbps"
U7: "8-Bit I/O Expander with Serial Interface, 20-Pin SSOP, Extended Temperature"
U10: library part NCP1529A, "1 A, 1.7 MHz Low Voltage Buck Converter"
U13 U15: "Integrated quad ultra-low capacitance ESD protection,  IEC 61000-4-2 level 4, ±8 kV contact discharge"
U14: library part CMP-0309-00017-1, "ESD Protected,High-Speed USB 2.0 (480-Mbps) 1:2 Multiplexer / Demultiplexer Switch, 1:2 Mux / Demux, 6 ohm RON, 2.5 to 3.3V, -40 to 85 degC, 10-Pin UQFN (RSE), Green (RoHS & no Sb/Br)"

## Free pads (board coordinates)
  round 2.5 hole 2.5 unplated mask+0: 1(-0.039,54) 1(0,0) 1(103.999,54) 1(104.024,0.1)
  round 3 hole 3 unplated mask+0: 1(101.324,38.905) 2(0,0) 2(101.324,10.965)

## Nets (pads, with @x,y where several pads share a name; then routed paths per layer and width w, separated by ;. In a path a pad name is that pad's centre, name@x,y a point inside that pad or via, vN(x,y) a via of type N, cw(c..) or ccw(c..) an arc to the next point about the centre after c; other vN are vias at no path point)
3V3: C1.1 C3.1 C5.1 C7.1 C9.2 C11.2 C13.2 C20.2 C23.2 C36.2 C37.2 C38.2 J6.1 J9.3 L1.2 P4.5 R1.2 R2.2 R3.2 R7.2 R15.1 U1.3 U2.1 U3.1 U4.1 U5.1 U6.5 U7.20 U8.13 U11.8 U14.10 U16.3
3V3_SNP: J1.12 J2.12 U6.6 U16.6
5V_SNP: C26.2 C33.2 C34.2 C35.2 D4.1 J1.1 J2.1 J6.3 J9.1 L2.2 P4.4 R10.2 U9.5 U10.1 U10.4 U12.2
A0: P1.6 U8.4
A1: P1.5 U8.5
A2: P1.4 U8.6
A3: P1.3 U8.7
A4: P5.1 U8.8
A4A: P1.2 P5.2
A4B: P3.8 P5.3
A5: P6.1 U8.9
A5A: P1.1 P6.2
A5B: P3.9 P6.3
AREF: P3.7
D2: P2.3 U6.11
D3: P2.4 U6.12
D4: P2.5 U6.13
D5_PWM: P2.6 U6.14
D6_PWM: P2.7 U6.17
D7: P2.8 U6.18
D8: U6.19
D9_PWM: P3.1 U6.20
DIR1: U2.5 U7.11
DIR2: U3.5 U7.12
DIR3: U4.5 U7.14
DIR4: U5.5 U7.13
GND: C1.2 C2.2 C3.2 C4.2 C5.2 C6.2 C7.2 C8.2 C9.1 C10.1 C11.1 C12.1 C13.1 C14.1 C15.1 C20.1 C21.1 C22.1 C23.1 C24.1 C25.1 C26.1 C27.1 C28.1 C29.1 C30.1 C31.2 C32.1 C33.1 C34.1 C35.1 C37.1 C38.1 C39.1 D5.2 J1.2 J2.2 J3.2 J4.4 J7.5 J8.2 P3.6 P4.2 P4.3 P7.1 P7.2 P7.3 P7.4 P7.5 P7.6 P7.7 P7.8 R8.1 R9.1 R11.1 R12.1 R13.1 R14.1 S1.3 U1.2 U2.2 U3.2 U4.2 U5.2 U6.15 U7.4 U7.5 U7.19 U8.3 U8.10 U8.11 U8.12 U9.7 U9.9 U10.2 U11.2 U11.3 U11.4 U12.1 U12.9 U13.2 U14.5 U14.6 U15.2 U16.2
GPA4: U6.9 U7.15
GPA5: U6.10 U7.16
I2C_SCL: P6.4 R4.1 U1.8
I2C_SDA: P5.4 R5.1 U1.1
MISO_A: P3.4 U2.4
MOSI_A: P3.3 U3.4
NC: P4.8
NetC15_2: C15.2 C39.2 J6.2 U8.2
NetC19_1: C19.1 U9.1
NetC19_2: C19.2 D5.1 L2.1 U9.8
NetC24_2: C24.2 J4.5 J4.6 R13.2
NetC25_2: C25.2 J7.6 J7.7 J7.8 J7.9 R14.2
NetC36_1: C36.1 R7.1 R8.2 U10.5
NetF1_2: F1.2 J4.1
NetF2_1: F2.1 J7.1
NetL1_1: L1.1 U10.3
NetR1_1: R1.1 U7.6
NetR6_2: R6.2 U9.4
NetR10_1: R10.1 S1.1
NetR11_2: R11.2 U11.7 U12.3
NetR12_2: R12.2 U11.6 U12.4
NetR15_2: R15.2 U1.6
PA0: J1.9 U4.3 U7.1 U8.16
PA1: J1.7 U2.3 U7.3 U8.15
PA2: J1.3 U16.5
PA3: J1.4 U16.4
PB10: J2.5 U6.3
PB11: J2.6 U6.4
PB12: J2.10 U7.7
PB13: J2.9 U8.1
PB14: J2.7 U6.7
PB15: J2.8 U6.8
PC10: J2.3 U6.1
PC11: J2.4 U6.2
PE0: J1.10 U5.3
PE2: J1.6 R2.1 U1.4
PE3: J1.5 R3.1 U1.5
PE4: J1.8 U3.3 U7.2 U8.14
RST: P4.6
RX_A: P2.1 U16.1
SCLK_A: P3.5 U4.4
SS_A: P3.2 U5.4
SYS_WAKE: J1.11 J2.11
TX_A: P2.2 U16.8
USB1_N: J4.2 U13.1 U14.2
USB1_P: J4.3 U13.3 U14.1
USB2_N: J7.2 U14.4 U15.1
USB2_P: J7.3 U14.3 U15.3
USB_FAULT: J3.5 U12.5 U12.8
USB_ID: J3.1 J7.4 U15.6
USB_N: J3.3 U14.7
USB_P: J3.4 U14.8
USB_PSW: J3.6 U11.1
USB_SEL: R9.2 S1.2 U11.5 U14.9
V_SYS: C2.1 C4.1 C6.1 C8.1 C10.2 C12.2 C14.2 J9.2 P4.7 P7.9 P7.10 P7.11 P7.12 P7.13 P7.14 R4.2 R5.2 U1.7 U2.6 U3.6 U4.6 U5.6 U6.16 U16.7
VBUS_1: C27.2 C28.2 F1.1 U12.7
VBUS_2: C21.2 C22.2 C29.2 C30.2 D4.2 F2.2 U12.6 U13.5 U15.5
VIN: C31.1 C32.2 J8.1 P4.1 R6.1 U9.2 U9.3
pads on no net: *.0 A1.0 A2.0 A2.1 A2.2 A2.3 A2.4 A2.5 A2.6 A2.7 A2.8 A2.9 A2.10 A2.11 A2.12 A2.13 A2.14 A2.15 A2.16 A2.17 A2.18 A2.19 A2.20 A2.21 A2.22 A2.23 A2.24 A2.25 A2.26 A2.27 A2.28 A2.29 A2.30 A2.31 A2.32 A2.33 A2.34 A2.35 A2.36 A2.37 A2.38 A2.39 A2.40 A2.41 A2.42 A2.43 A2.44 A2.45 A2.46 A2.47 A2.48 A2.49 A2.50 A2.51 A2.52 A2.53 A2.54 A2.55 A2.56 A2.57 A2.58 A2.59 A2.60 A2.61 A2.62 A2.63 A2.64 A2.65 A2.66 A2.67 A2.68 A2.69 A2.70 A2.71 A2.72 A2.73 A2.74 A2.75 A2.76 A2.77 A2.78 A2.79 A2.80 A2.81 A2.82 A2.83 A2.84 A2.85 A2.86 A2.87 A2.88 A2.89 A2.90 A2.91 A2.92 A2.93 A2.94 A2.95 A2.96 A2.97 A2.98 A2.99 A2.100 A2.101 A2.102 A2.103 A2.104 A2.105 A2.106 A2.107 A2.108 A2.109 A2.110 A2.111 A2.112 A2.113 A2.114 A2.115 A2.116 A2.117 A2.118 A2.119 A2.120 A2.121 A2.122 A2.123 A2.124 A2.125 A2.126 A2.127 A2.128 A2.129 A2.130 A2.131 A2.132 A2.133 A2.134 A2.135 A2.136 A2.137 A2.138 A2.139 A2.140 A2.141 A2.142 A2.143 A2.144 A2.145 A2.146 A2.147 A2.148 A2.149 A2.150 A2.151 A2.152 A2.153 A2.154 A2.155 A2.156 A2.157 A2.158 A2.159 A2.160 A2.161 A2.162 A2.163 A2.164 A2.165 A2.166 A2.167 A2.168 A2.169 A2.170 A2.171 A2.172 A2.173 A2.174 A2.175 A2.176 A2.177 A2.178 A2.179 A2.180 A2.181 A2.182 A2.183 A2.184 A2.185 A2.186 A2.187 A2.188 A2.189 A2.190 A2.191 A2.192 A2.193 A2.194 A2.195 A2.196 A2.197 A2.198 A2.199 A2.200 A2.201 A2.202 A2.203 A2.204 A2.205 A2.206 A2.207 A2.208 A2.209 A2.210 A2.211 A2.212 A2.213 A2.214 A2.215 A2.216 A2.217 A2.218 A2.219 A2.220 A2.221 A2.222 A2.223 A2.224 A2.225 A2.226 A2.227 A2.228 A2.229 A2.230 A2.231 A2.232 A2.233 A2.234 A2.235 A2.236 A2.237 A2.238 A2.239 A2.240 A2.241 A2.242 A2.243 A2.244 A2.245 A2.246 A2.247 A2.248 A2.249 A2.250 A2.251 A2.252 A2.253 A2.254 A2.255 A2.256 A2.257 A2.258 A2.259 A2.260 A2.261 A2.262 A2.263 A2.264 A2.265 A2.266 A2.267 A2.268 A2.269 A2.270 A2.271 A2.272 A2.273 A2.274 A2.275 A2.276 A2.277 A2.278 A2.279 J1. J2. J3.0 J8.3 P3.10 S1.0 U7.8 U7.9 U7.10 U7.17 U7.18 U9.6 U13.4 U13.6 U15.4

## Other copper
Bottom Layer:
  pour cut-out: -3.54,8 cw(c-4.5,4.5) -1,3.54 cw(c-4.5,4.5) -5.46,1 cw(c-4.5,4.5) -8,5.46 cw(c-4.5,4.5)

## Silkscreen, mask and mechanical layers (free items; w line width, h text height)
Top Overlay:
  lines w0.2: -22.984,-11.151 -23.029,-22.897 -17.675,-22.936
Bottom Overlay:
  lines w0.2: -3.735,0 4,0 -0.039,4.5 -0.039,-3 ; -3,54 4,54 ; -0.039,50 0,57 ; 19.663,-19 19.663,-14.351 29.823,-14.351 29.823,-19 ; 25.5,-1 25.5,4.5 31,4.5 ; 31.5,-15 31.5,-13.605 40.5,-13.605 40.5,-15 ; 35,8 35.284,3.345 40.2,3.345 ; 41.227,-19 41.227,-8.255 59.007,-8.255 59.007,-19 ; 83.014,-19 83,-7.013 94.264,-7.013 94.264,-19 ; 101.324,0.1 108,0.1 104.024,-4 104.024,3.964 ; 101.324,54 106.999,54 103.999,57 104.024,50.727 ; -7,-19 106.999,-19 106.999,61 -7,61 -7,-19
Mechanical 15:
  lines w0.2: -9.001,0 -6.001,0 ; -0.001,-10 -0.001,-7 ; 100.999,0 106.999,0 ; 100.999,54 106.999,54 ; 103.999,-3 103.999,3 ; 103.999,51 103.999,57

## Text inside footprints (layer, text, board x,y; h text height)
D4: Top Overlay "A" at 39.119,89.624 h0.95 r270
D5: Top Overlay "A" at 24.053,87.16 h0.95 r180
J7: Mechanical 15 "PCB Edge" at 20.286,-19.715 h0.25